# Altium PCB ST-Link-V2.2.PcbDoc (continued)
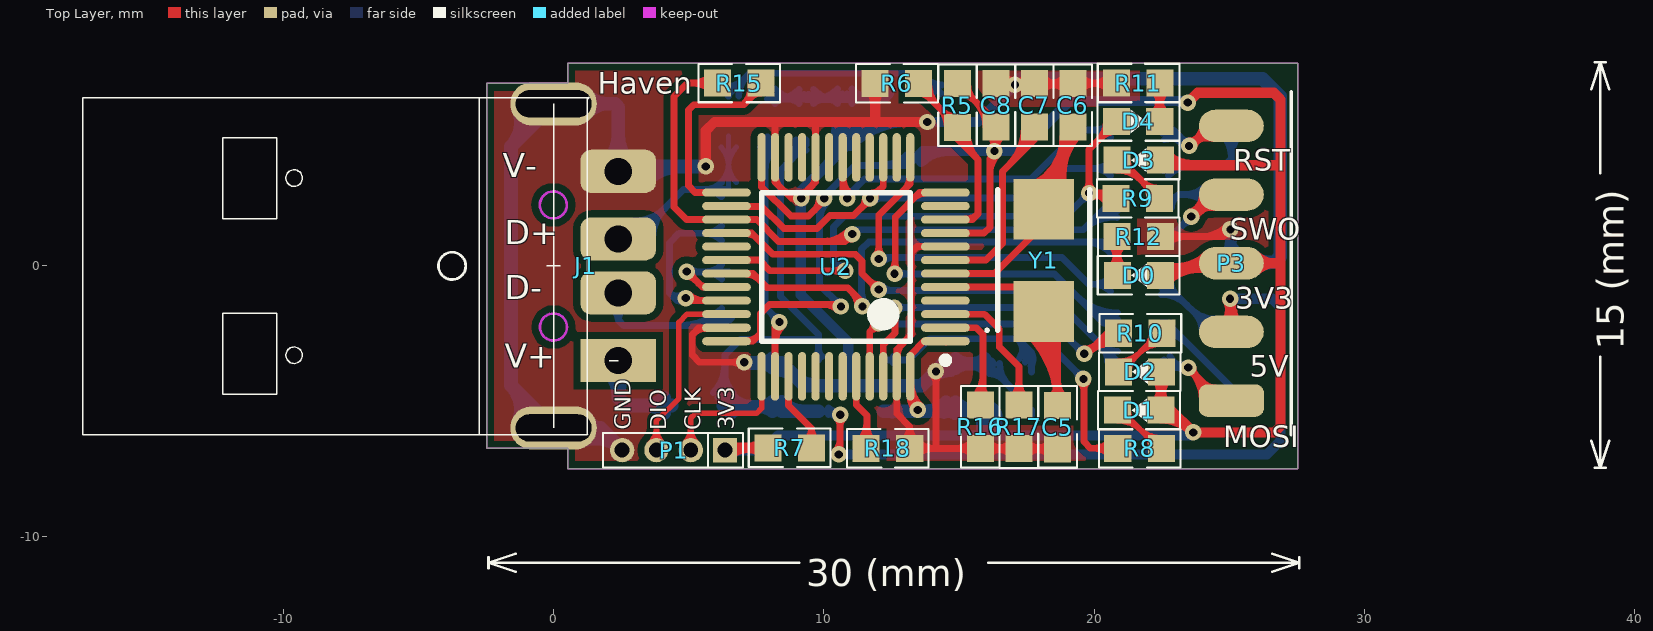
[diagram p0: Top Layer view]
## Nets (pads, with @x,y where several pads share a name; then routed paths per layer and width w, separated by ;. In a path a pad name is that pad's centre, name@x,y a point inside that pad or via, vN(x,y) a via of type N, cw(c..) or ccw(c..) an arc to the next point about the centre after c; other vN are vias at no path point) (continued)
  Bottom Layer w0.508: J1.6@-1.302,-5.785 ccw(c-2.455,-5.304) -1.572,-4.421 ; J1.5@-1.302,5.784 cw(c-2.455,5.303) -1.572,4.42 ; -1.035,-4.958 cw(c-1.698,-5.62) J1.6@-0.833,-5.98 ; -1.035,4.957 ccw(c-1.698,5.619) J1.5@-0.833,5.979 ; J1.6@0.817,-6.03 cw(c1.24,-7.023) 2.003,-6.26 ; J1.6@1.016,-6.497 cw(c1.557,-7.769) P1.4@2.535,-6.792 ; J1.5@1.215,5.637 cw(c1.995,4.963) 1.995,5.994 cw(c1.995,7.024) J1.5@1.215,6.351 ; J1.6@1.277,-6.264 cw(c1.738,-6.524) 1.738,-5.995 ; J1.6@1.277,-5.726 ccw(c1.738,-5.465) 1.738,-5.995 ; J1.4@2.006,3.886 ccw(c1.074,4.818) 2.392,4.818 ccw(c3.711,4.818) J1.4@2.779,3.886 ; 2.182,-6.439 cw(c1.804,-6.817) P1.4@2.339,-6.817 ; J1.4 2.392,5.872 2.271,5.994 1.073,5.994 J1.5 -1.572,4.42 ; P1.4 P1.4@2.535,-6.792 ; J1.4@2.574,3.681 v1(5.628,3.681) ; J1.4@3.379,3.113 cw(c4.748,1.744) 4.748,3.681 ; J1.4@3.379,3.886 ccw(c3.873,4.38) 3.873,3.681 ; v1(7.051,-3.565) 7.082,-3.595 C1.1 8.442,-3.595 9.277,-4.43 U1.2 13.615,-4.43 13.632,-4.414 v1(14.144,-3.902) ; C1.1@8.097,-3.769 ccw(c7.677,-4.189) 7.677,-3.595 ccw(c7.677,-3.002) C1.1@8.097,-3.422 ; C1.1@8.27,-3.841 cw(c8.27,-4.85) 8.984,-4.137 ; 9.004,-4.158 ccw(c9.552,-3.61) U1.2@9.552,-4.384 ; 13.823,-4.223 cw(c14.695,-5.096) C2.1@14.695,-3.862 ; v1@14.189,-3.925 cw(c14.695,-4.184) C2.1 ; C2.1@14.869,-3.79 cw(c15.289,-4.21) 15.289,-3.616 cw(c15.289,-3.022) C2.1@14.869,-3.442 ; C3.1@15.949,-3.79 ccw(c15.529,-4.21) 15.529,-3.616 ccw(c15.529,-3.022) C3.1@15.949,-3.442 ; C3.1 C2.1 ; v1(17.07,6.701) 17.294,6.925 26.226,6.925 26.879,6.272 26.879,0.346 26.669,0.136 P2.3@25.038,0.136 ; v1@17.106,6.665 cw(c17.733,6.037) 17.733,6.925 ; P2.3@25.92,-0.146 cw(c26.601,-0.827) 26.601,0.136 ; P2.3@25.92,0.344 ccw(c26.42,0.844) 26.42,0.136 ; -1.572,-4.421 -1.572,4.42 ; -1.572,-4.421 J1.6 1.738,-5.995 ; 1.738,-5.995 P1.4@2.535,-6.792 ; v1(14.144,-3.902) cw(c14.409,-4.167) 14.582,-3.834 ccw(c14.409,-4.167) v1(14.144,-3.902) ; v1(14.144,-3.902) 14.43,-3.616 C2.1
NetC4_2: C4.2 U1.4 | length 9.5
  Bottom Layer w0.254: U1.4 13.13,-3.48 13.916,-2.694 17.171,-2.694 ; U1.4@12.574,-3.603 cw(c12.87,-3.898) 12.87,-3.48 cw(c12.87,-3.063) U1.4@12.574,-3.358 ; C4.2@17.239,-3.421 ccw(c16.765,-3.099) 17.171,-2.694 ; 17.388,-2.911 cw(c17.024,-3.275) C4.2@17.45,-3.564 ; 17.605,-3.129 cw(c17.283,-3.451) C4.2@17.66,-3.707 ; C4.2@17.684,-3.921 17.684,-3.207 17.171,-2.694
NetC5_2: C5.2 U2.5 Y1.1 | length 21.3
  Top Layer w0.254: U2.5 17.237,-0.787 Y1.1 18.648,-2.198 C5.2 ; Y1.1@17.398,-1.867 Y1.1@18.014,-1.867 ; Y1.1@17.45,-2.411 cw(c14.816,-5.194) C5.2@18.648,-5.194 ; Y1.1@17.625,-2.226 cw(c15.375,-4.604) 18.648,-4.604 ; Y1.1@17.8,-2.042 cw(c15.933,-4.014) 18.648,-4.014 ; Y1.1@17.974,-1.857 cw(c16.492,-3.424) 18.648,-3.424 ; Y1.1@18.149,-1.673 cw(c17.05,-2.833) 18.648,-2.833 ; C5.2@18.385,-4.893 ccw(c17.748,-4.256) 18.648,-4.256 ccw(c19.549,-4.256) C5.2@18.912,-4.893 ; 18.648,-2.86 cw(c19.31,-2.86) Y1.1@18.842,-2.392
NetC6_2: C6.2 U2.6 Y1.2 | length 20.3
  Top Layer w0.254: U2.6 16.309,-0.287 Y1.2@18.014,1.418 ; Y1.2@17.715,3.003 ccw(c16.887,4.779) C6.2@18.846,4.779 ; Y1.2@17.822,2.773 ccw(c17.073,4.381) 18.846,4.381 ; Y1.2@17.929,2.543 ccw(c17.258,3.982) 18.846,3.982 ; Y1.2@18.037,2.312 ccw(c17.444,3.583) 18.846,3.583 ; Y1.2 18.846,2.808 C6.2@18.846,4.779 ; Y1.2@18.144,2.082 ccw(c17.63,3.185) Y1.2@18.846,3.185 ; 18.846,3.366 cw(c20.986,3.366) C6.2@19.473,4.878 ; 18.846,3.979 cw(c20.373,3.979) C6.2@19.293,5.058 ; 18.846,4.592 cw(c19.759,4.592) C6.2@19.114,5.238 ; C6.2 C6.2@18.846,4.779
NetC7_2: C7.2 U2.7 | length 10.5
  Top Layer w0.254: U2.7 15.995,0.213 16.61,0.828 16.61,3.494 17.786,4.671 C7.2 ; 16.816,3.701 ccw(c15.375,5.142) C7.2@17.413,5.142 ; 17.25,4.134 ccw(c16.242,5.142) C7.2@17.667,5.142 ; 17.684,4.568 ccw(c17.109,5.142) C7.2@17.921,5.142
NetD0_2: D0.2 R12.2 | length 5.1
  Top Layer w0.254: R12.2@20.58,0.822 cw(c19.974,0.215) 20.831,0.215 ; D0.2@20.592,-0.083 ccw(c20.016,0.493) 20.831,0.493 ; R12.2@20.657,0.762 cw(c20.436,0.379) 20.863,0.494 ; D0.2@20.831,-0.349 20.831,1.073 R12.2 ; 20.831,0.154 cw(c21.775,0.154) R12.2@21.107,0.822 ; R12.2@20.831,0.614 ccw(c21.817,0.614) D0.2@21.12,-0.083 ; 20.903,0.346 cw(c21.295,0.451) R12.2@21.06,0.781
NetD1_2: D1.2 R8.2 | length 6.3
  Top Layer w0.203: D1.2@20.87,-5.736 cw(c20.87,-6.971) 21.744,-6.098 ; D1.2@20.87,-5.533 cw(c20.87,-6.278) 21.397,-5.751 ; D1.2 20.984,-5.338 22.393,-6.747 R8.2 ; D1.2@21.269,-5.338 ccw(c21.957,-5.338) 21.47,-5.824 ; 21.649,-6.003 ccw(c22.483,-5.17) R8.2@22.483,-6.349 ; 21.866,-6.22 cw(c21.34,-6.747) R8.2@22.085,-6.747 ; R8.2@21.996,-6.35 ccw(c22.483,-5.863) R8.2@22.483,-6.552
NetD2_2: D2.2 R10.2 | length 6.5
  Top Layer w0.203: D2.2@20.896,-3.725 ccw(c20.896,-3.058) D2.2@21.367,-3.53 ; D2.2@20.896,-3.522 ccw(c20.896,-2.364) 21.714,-3.183 ; D2.2@21.08,-3.92 D2.2 20.977,-3.92 22.405,-2.492 R10.2 ; D2.2@21.294,-3.92 cw(c22.06,-3.92) 21.518,-3.378 ; 21.652,-3.245 cw(c22.508,-4.101) R10.2@22.508,-2.89 ; 21.901,-2.996 ccw(c21.397,-2.492) R10.2@22.11,-2.492 ; 21.999,-2.898 cw(c22.508,-3.407) R10.2@22.508,-2.687
NetD3_2: D3.2 R9.1 | length 5.5
  Top Layer w0.254: D3.2@20.85,3.54 cw(c20.85,2.276) 21.743,3.17 ; D3.2@20.85,3.794 cw(c20.85,3.144) D3.2@21.31,3.604 ; D3.2 21,3.913 R9.1 R9.1@22.45,2.524 ; D3.2@21.223,3.913 ccw(c21.76,3.913) 21.38,3.533 ; R9.1@22.046,2.494 ccw(c21.146,2.494) 21.782,3.131 ccw(c22.419,3.768) R9.1@22.419,2.867
NetD4_2: D4.2 R11.2 | length 6.9
  Top Layer w0.203: D4.2@22.143,5.629 ccw(c21.463,6.309) 22.425,6.309 ccw(c23.387,6.309) D4.2@22.707,5.629 ; R11.2@22.161,6.485 cw(c21.524,5.847) 22.425,5.847 ; R11.2@22.192,6.457 cw(c21.914,6.112) 22.342,5.997 ; R11.2@22.244,6.421 cw(c21.994,5.989) 22.476,6.118 ; R11.2@22.244,6.766 R11.2 22.425,6.749 D4.2 ; 22.355,6.047 cw(c22.95,5.888) R11.2@22.642,6.421 ; D4.2@22.425,5.762 cw(c23.447,5.762) R11.2@22.724,6.485 ; 22.425,6.252 cw(c22.957,6.252) R11.2@22.581,6.628 ; 22.493,6.055 cw(c22.81,6.14) R11.2@22.644,6.423
NetQ1_1: Q1.1 R1.2 R2.1 R3.1 | length 17.5
  Bottom Layer w0.254: R2.1@7.912,6.172 R1.2@9.328,6.172 ; R2.1@8.009,6.363 ccw(c8.469,6.823) 8.469,6.172 ; R2.1@8.189,6.015 cw(c8.568,5.635) 8.568,6.172 ; R2.1@8.189,6.542 ccw(c9.082,7.436) R1.2@9.082,6.172 ; R2.1@8.218,6.172 ccw(c8.218,7.396) R1.2@9.083,6.53 ; 8.675,6.172 cw(c8.675,5.595) R1.2@9.083,6.003 ; 8.718,6.27 ccw(c8.78,6.502) R1.2@9.002,6.41 ; 8.809,6.245 cw(c8.717,5.903) R1.2@9.024,6.08 ; 8.831,6.172 ccw(c8.831,6.782) R1.2@9.263,6.351 ; R1.2@9.344,6.156 11.076,6.156 R3.1@11.079,6.158 ; R1.2@9.431,6.351 ccw(c9.902,6.822) 9.902,6.156 ; R1.2@9.573,6.156 ccw(c9.573,7.476) R3.1@10.506,6.542 ; R1.2@9.611,6.003 cw(c9.979,5.634) 9.979,6.156 ; R1.2@9.611,6.53 ccw(c10.516,7.435) R3.1@10.516,6.156 ; R1.2@9.67,6.08 cw(c9.96,5.913) 9.873,6.236 ; R1.2@9.698,6.393 ccw(c9.9,6.465) 9.955,6.258 ; 10.166,6.156 cw(c10.166,5.675) R3.1@10.506,6.015 ; 10.186,6.156 ccw(c10.186,6.862) R3.1@10.685,6.363 ; R3.1@10.764,6.158 R3.1@11.079,6.158 ; R3.1@10.854,6.363 ccw(c11.346,6.855) 11.346,6.158 ; R3.1@11.033,6.015 cw(c11.38,5.668) 11.38,6.158 ; R3.1@11.033,6.542 ccw(c11.96,7.469) 11.96,6.158 ; 11.281,6.158 ccw(c11.281,7.506) Q1.1@12.234,6.553 ; 11.894,6.158 ccw(c11.894,6.893) Q1.1@12.414,6.374 ; Q1.1 12.271,6.158 R3.1@11.079,6.158
NetQ1_2: Q1.2 R4.1 | length 11.2
  Bottom Layer w0.254: R4.1 6.477,6.339 7.268,7.13 13.583,7.13 Q1.2 ; R4.1@6.477,6.652 ccw(c6.477,7.407) 7.011,6.873 ; R4.1@6.85,6.279 cw(c7.896,6.279) 7.156,7.018 ; 13.768,6.944 ccw(c14.362,7.538) Q1.2@14.362,6.698 ; 13.829,6.883 cw(c13.32,6.375) Q1.2@14.039,6.375
NetR5_1: R5.1 R6.2 U2.10 | length 12.8
  Top Layer w0.254: R6.2@13.507,6.38 cw(c13.507,5.822) 13.901,6.216 ; R6.2@13.507,6.61 R5.1@14.926,5.192 ; R6.2@13.626,6.753 ccw(c14.257,6.753) R6.2@13.811,6.307 ; R6.2@13.88,6.753 ccw(c15.124,6.753) 14.244,5.873 ; 14.272,5.846 cw(c13.555,5.128) R5.1@14.569,5.128 ; 14.386,5.732 ccw(c14.942,6.288) R5.1@14.942,5.501 ; U2.10 15.497,1.713 15.708,1.925 ; R5.1@14.926,4.757 R5.1@14.942,4.741 ; R5.1 R5.1@14.942,4.741 ; R5.1@15.06,5.114 ccw(c16.036,4.992) 15.34,4.297 ; U2.10@15.246,1.736 ccw(c15.253,2.379) 15.708,1.925 ; R5.1@15.312,5.082 ccw(c16.689,4.91) 15.708,3.929 ; R5.1@14.942,4.741 14.942,4.695 15.708,3.929 ; 15.708,1.925 15.708,3.929
NetR7_1: R7.1 U2.39 | length 4
  Top Layer w0.254: U2.39 8.696,-5.169 9.544,-6.017 ; R7.1@9.33,-6.426 ccw(c9.044,-6.017) 9.544,-6.017 ; R7.1 9.544,-6.017 ; R7.1@9.757,-6.426 cw(c10.043,-6.017) 9.544,-6.017
NetR13_2: R13.2 U2.32 | length 7.4
  Top Layer w0.254: v1@4.925,-0.21 v1(4.929,-0.21) 5.191,-0.472 ; v1@4.929,-0.388 cw(c4.929,-0.812) 5.229,-0.512 ; v1@4.946,-0.387 cw(c4.976,-0.69) 5.191,-0.475 ; v1@4.949,-0.387 cw(c4.982,-0.682) 5.191,-0.472 ; v1@5.106,-0.23 ccw(c5.403,-0.263) 5.191,-0.475 ; v1@5.106,-0.229 ccw(c5.402,-0.261) 5.191,-0.472 ; v1@5.107,-0.21 ccw(c5.541,-0.21) 5.234,-0.518 ; 5.362,-0.646 ccw(c5.646,-0.362) U2.32@5.646,-0.764 ; U2.32 5.503,-0.787 5.191,-0.475 ; 5.191,-0.475 5.191,-0.472
  Bottom Layer w0.254: v1(4.929,-0.21) 4.942,-0.223 R13.2 ; v1@5.055,-0.336 cw(c5.327,-0.608) 5.327,-0.223 ; v1@5.055,-0.084 ccw(c5.389,0.25) 5.389,-0.223 ; R13.2@6.22,-0.487 ccw(c5.583,-1.124) 5.583,-0.223 ccw(c5.583,0.677) R13.2@6.22,0.041
NetR14_2: R14.2 U2.33 | length 9.6
  Top Layer w0.254: v1@4.906,-1.283 4.909,-1.287 U2.33 ; v1@5.018,-1.063 ccw(c5.559,-0.522) U2.33@5.559,-1.287
  Bottom Layer w0.254: 4.504,-1.216 ccw(c4.74,-0.979) v1@4.938,-1.25 ; v1@4.717,-1.159 cw(c4.571,-1.134) 4.571,-1.283 ; v1@4.788,-1.044 cw(c4.563,-0.735) 4.293,-1.006 ; v1@4.906,-1.283 4.571,-1.283 ; R14.2@6.207,0.945 ccw(c5.571,0.308) 5.571,1.209 ccw(c5.571,2.109) R14.2@6.207,1.472 ; R14.2 4.647,1.209 4.293,0.855 4.293,-1.006 ; 4.293,-1.006 4.571,-1.283
  other v1: 4.893,-1.188
NetR16_1: R16.1 U2.2 | length 6
  Top Layer w0.254: U2.2 15.63,-2.287 15.89,-2.547 15.89,-5.037 R16.1 ; R16.1@15.526,-4.874 ccw(c14.646,-3.994) 15.89,-3.994 ; R16.1@15.705,-5.053 ccw(c15.259,-4.607) 15.89,-4.607 ; 15.89,-4.48 ccw(c16.447,-4.48) R16.1@16.053,-4.874
NetR17_1: R17.1 U2.3 | length 6.7
  Top Layer w0.254: U2.3 15.933,-1.787 16.488,-2.341 16.488,-3 17.214,-3.727 R17.1 ; R17.1@16.95,-4.883 ccw(c16.314,-4.247) 17.214,-4.247 ccw(c18.115,-4.247) R17.1@17.478,-4.883
P_MOSI: P3.1 R21.2 | length 9.9
  Top Layer w0.254: v1@23.478,-3.939 cw(c23.478,-4.368) 23.782,-4.064 cw(c24.085,-3.761) v1@23.656,-3.761 ; v1(23.478,-3.761) P3.1@24.698,-4.981 ; v1@23.51,-3.793 cw(c22.322,-4.981) P3.1@24.002,-4.981 ; 23.944,-4.226 cw(c23.189,-4.981) P3.1@24.256,-4.981 ; 24.049,-4.331 ccw(c24.475,-3.905) P3.1@24.475,-4.508 ; P3.1@24.225,-4.981 P3.1 P3.1@24.859,-4.981
  Bottom Layer w0.254: R21.2 22.708,-3.761 v1(23.478,-3.761) cw(c23.478,-3.004) R21.2@22.809,-3.358 ; R21.2@22.584,-3.477 ccw(c23.056,-3.227) 23.056,-3.761 ; v1@23.319,-3.839 ccw(c23.011,-3.991) 23.1,-3.659 ccw(c23.188,-3.328) v1@23.379,-3.613 ; v1@23.352,-3.887 ccw(c23.049,-4.19) 23.049,-3.761 ccw(c23.049,-3.332) v1@23.352,-3.635
P_NRST: P3.5 R23.2 | length 10.6
  Top Layer w0.254: v1@23.508,4.617 ccw(c23.508,5.046) 23.811,4.743 ccw(c24.115,4.439) v1@23.686,4.439 ; v1@23.554,4.611 ccw(c23.665,5.026) 23.88,4.654 ccw(c24.094,4.282) v1@23.68,4.393 ; 23.829,4.76 ccw(c23.41,5.179) P3.5@24.002,5.179 ; 23.85,4.781 cw(c24.316,4.315) P3.5@24.436,4.964 ; P3.5@24.39,4.714 ccw(c24.21,3.738) v1(23.508,4.439) 24.247,5.179 P3.5
  Bottom Layer w0.254: R23.2 22.926,5.022 v1(23.508,4.439) ccw(c22.862,3.794) R23.2@22.591,4.666 ; R23.2@22.515,4.908 cw(c22.721,4.247) 23.211,4.737 ; R23.2@22.613,4.885 cw(c22.334,3.718) v1@23.356,4.346 ; v1@23.33,4.439 ccw(c22.901,4.439) 23.204,4.743 ccw(c23.508,5.046) v1@23.508,4.617 ; v1@23.336,4.393 ccw(c22.922,4.282) 23.136,4.654 ccw(c23.351,5.026) v1@23.462,4.611
P_RXD: P2.4 R19.2 | length 7.7
  Bottom Layer w0.254: R19.2@22.479,-1.053 cw(c22.479,-2.396) 23.429,-1.446 ; R19.2@22.479,-0.799 cw(c22.479,-1.528) 22.995,-1.012 ; R19.2 22.662,-0.68 P2.4@24.424,-2.441 ; R19.2@22.852,-0.68 ccw(c23.31,-0.68) 22.986,-1.004 ; 23.58,-1.597 ccw(c24.475,-0.702) P2.4@24.475,-1.968 ; 23.704,-1.721 cw(c22.984,-2.441) P2.4@24.002,-2.441 ; 24.014,-2.031 ccw(c24.475,-1.569) P2.4@24.475,-2.222 ; P2.4@24.392,-2.441 P2.4@24.424,-2.441 ; P2.4 P2.4@24.424,-2.441
P_SWCLK: P2.1 R25.2 | length 8.1
  Bottom Layer w0.254: R25.2 22.586,3.709 24.819,3.709 25.075,3.965 P2.1 P2.1@24.761,5.493 ; R25.2@22.564,3.519 cw(c23.023,3.06) 23.023,3.709 ; R25.2@22.744,3.339 cw(c23.636,2.447) 23.636,3.709 ; R25.2@22.744,3.867 ccw(c23.125,4.248) 23.125,3.709 ; P2.1@24.741,4.844 cw(c23.933,4.037) 25.075,4.037 cw(c26.217,4.037) P2.1@25.41,4.844
P_SWDIO: P2.2 R24.2 | length 5.5
  Bottom Layer w0.254: R24.2 22.654,2.167 23.126,2.639 ; R24.2@22.605,2.519 ccw(c22.77,2.995) 23.126,2.639 ; R24.2@22.856,2.167 cw(c23.343,2.167) 22.998,2.511 ; P2.2@24.141,2.304 ccw(c23.333,1.497) 23.333,2.639 ccw(c23.333,3.781) P2.2@24.141,2.973 ; P2.2 23.126,2.639
P_SWO: P3.4 R22.2 | length 9.7
  Top Layer w0.254: v1@23.545,1.995 ccw(c23.394,2.56) 23.9,2.267 ; v1@23.591,2.001 ccw(c23.591,2.43) 23.895,2.126 ccw(c24.198,1.823) v1@23.769,1.823 ; v1@23.637,1.995 ccw(c23.748,2.409) 23.963,2.037 ccw(c24.178,1.666) v1@23.763,1.777 ; v1@23.716,1.948 ccw(c23.025,2.639) P3.4@24.002,2.639 ; v1@23.763,1.869 cw(c24.027,1.94) 23.79,2.076 ; 24.005,2.237 cw(c24.448,1.795) P3.4@24.468,2.42 ; P3.4@24.46,2.166 ccw(c24.421,0.993) v1(23.591,1.823) 24.407,2.639 P3.4
  Bottom Layer w0.254: R22.2 22.519,0.75 v1(23.591,1.823) ; R22.2@22.474,1.123 ccw(c22.474,2.131) 23.187,1.418 ; R22.2@22.847,0.75 cw(c23.641,0.75) 23.08,1.311 ; v1@23.413,1.823 cw(c22.984,1.823) 23.288,1.519 cw(c23.591,1.216) v1@23.591,1.645
P_TXD: P2.5 R20.2 | length 6.2
  Bottom Layer w0.254: R20.2@22.479,-2.479 cw(c22.479,-3.877) 23.468,-2.889 ; R20.2@22.479,-2.225 cw(c22.479,-3.01) 23.034,-2.455 ; R20.2 22.685,-2.106 25.19,-4.611 P2.5@25.075,-4.611 ; R20.2@22.852,-2.106 ccw(c23.255,-2.106) R20.2@22.97,-2.391 ; P2.5 P2.5@25.075,-4.697
RX_LED: R10.1 U2.46 | length 16.1
  Top Layer w0.254: U2.46@12.196,-3.519 12.196,-2.912 12.632,-2.476 12.632,-1.576 v1(12.596,-1.54) ; v1@12.47,-1.666 cw(c12.081,-2.056) 12.632,-2.056 ; 12.632,-1.883 cw(c12.939,-1.883) v1@12.722,-1.666 ; v1(19.63,-3.253) v1@19.733,-3.253 ; v1@19.63,-3.075 ccw(c19.63,-2.396) 20.11,-2.876 ; 20.105,-2.881 cw(c20.775,-3.55) R10.1@20.883,-2.61 ; R10.1@20.854,-2.862 ccw(c20.698,-4.218) v1@19.733,-3.253 ; R10.1 20.495,-2.492 v1@19.733,-3.253
  Bottom Layer w0.254: v1(12.596,-1.54) 17.917,-1.54 v1(19.63,-3.253) ; v1@12.722,-1.666 cw(c13.025,-1.969) 13.025,-1.54 cw(c13.025,-1.111) v1@12.722,-1.415 ; v1@19.452,-3.253 ccw(c19.023,-3.253) 19.326,-2.949 ccw(c19.63,-2.646) v1@19.63,-3.075
STA_LED: D4.1 R9.2 U2.30 | length 27.1
  Top Layer w0.203: R9.2 R9.2@20.826,2.494
  Top Layer w0.254: U2.30 7.612,0.213 8.006,-0.181 v1(10.788,-0.181) ; v1@10.662,-0.306 ccw(c10.359,-0.61) 10.359,-0.181 ccw(c10.359,0.249) v1@10.662,-0.055 ; v1@19.685,2.819 ccw(c19.381,3.122) 19.811,3.122 ccw(c20.24,3.122) 19.936,2.819 ccw(c20.24,3.122) 20.24,2.693 ccw(c20.24,2.264) v1@19.936,2.567 ; v1@19.906,2.543 cw(c20.105,2.23) 20.201,2.588 cw(c20.297,2.947) v1@19.968,2.775 ; 20.174,4.676 ccw(c19.502,5.347) D4.1@20.452,5.347 ; 20.223,4.725 cw(c20.825,4.123) D4.1@20.825,4.974 ; 20.253,2.693 cw(c20.253,2.17) R9.2@20.704,2.434 ; R9.2@20.485,2.306 ccw(c19.811,1.912) v1(19.811,2.693) ; R9.2 20.608,2.693 v1(19.811,2.693) ; D4.1 20.825,5.327 19.811,4.312 v1(19.811,2.693)
  Bottom Layer w0.254: v1@10.78,-0.003 cw(c10.755,0.554) 10.361,0.16 ; v1(10.788,-0.181) 10.797,-0.172 10.693,-0.172 10.361,0.16 ; v1@19.633,2.693 cw(c19.204,2.693) 19.507,2.39 cw(c19.811,2.086) v1@19.811,2.515 ; v1(19.811,2.693) 18.956,1.838 10.756,1.838 10.361,1.443 10.361,0.16
SWCLK0: P1.2 U2.37 | length 6.5
  Top Layer w0.203: P1.2@4.828,-6.571 ccw(c4.234,-5.976) 5.075,-5.976 ccw(c5.916,-5.976) P1.2@5.321,-6.571 ; P1.2 5.075,-5.632 5.246,-5.46 7.502,-5.46 7.696,-5.266 U2.37
SWDIO0: P1.3 U2.34 | length 8.3
  Top Layer w0.203: P1.3@3.558,-6.571 ccw(c2.964,-5.976) 3.805,-5.976 ccw(c4.646,-5.976) P1.3@4.051,-6.571 ; P1.3 3.805,-5.727 4.632,-4.9 4.632,-2.093 4.939,-1.787 U2.34
T_JTCK: R25.1 U2.15 U2.26 | length 20.9
  Top Layer w0.254: U2.26 6.408,2.202 7.696,2.202 8.515,1.382 9.749,1.382 10.228,1.861 11.1,1.861 12.196,2.957 U2.15 ; 11.381,2.142 ccw(c11.017,2.506) v1@11.532,2.506 ; 11.468,2.228 cw(c11.71,1.986) v1@11.71,2.329 ; v1@11.71,2.684 ccw(c11.71,3.2) 12.075,2.835 ; v1@11.888,2.506 cw(c12.231,2.506) 11.988,2.749
  Bottom Layer w0.254: v1(11.71,2.506) 17.793,2.506 18.89,3.603 R25.1 ; v1@11.836,2.381 cw(c12.139,2.077) 12.139,2.506 cw(c12.139,2.936) v1@11.836,2.632 ; R25.1@20.604,3.339 ccw(c19.968,2.703) 19.968,3.603 ccw(c19.968,4.504) R25.1@20.604,3.867
T_JTDI: U2.17
T_JTDO: U2.16
T_JTMS: R15.1 R24.1 U2.27 | length 29.9
  Top Layer w0.254: R15.1@5.794,6.502 ccw(c5.157,5.865) 5.157,6.766 ccw(c5.157,7.666) R15.1@5.794,7.029 ; R15.1 4.962,6.766 4.455,6.258 4.455,2.172 4.913,1.713 U2.27 7.518,1.713 8.326,0.905 10.775,0.905 ; 9.962,0.905 ccw(c9.962,2.26) v1@10.921,1.302 ; 10.575,0.905 ccw(c10.575,1.647) v1@11.1,1.122 ; v1@10.869,1.161 cw(c10.545,1.135) 10.775,0.905 ; v1@11.032,0.999 ccw(c11.005,0.675) 10.775,0.905 ; v1(11.046,1.176) 10.775,0.905
  Bottom Layer w0.254: v1(11.046,1.176) 11.206,1.335 19.593,1.335 ; 19.982,1.725 cw(c20.773,0.934) R24.1@20.861,2.048 ; R24.1@20.371,2.114 cw(c20.83,1.655) R24.1@20.881,2.302 ; R24.1@20.841,1.795 ccw(c20.715,0.213) 19.593,1.335 ; R24.1 20.425,2.167 19.593,1.335
T_MOSI: R21.1 U2.28 | length 19.9
  Top Layer w0.254: U2.28 7.33,1.213 8.114,0.429 11.163,0.429 11.409,0.183 11.409,-0.279 12.004,-0.874 v1(12.031,-0.874) ; U2.28@7.146,1.19 cw(c7.146,0.692) 7.499,1.044 ; 11.681,-0.551 ccw(c12.031,-0.201) v1@12.031,-0.696 ; 11.746,-0.616 cw(c11.489,-0.874) v1@11.853,-0.874
  Bottom Layer w0.254: v1(12.031,-0.874) 12.073,-0.916 18.241,-0.916 20.857,-3.532 R21.1 ; v1@12.157,-0.999 cw(c12.358,-1.2) 12.358,-0.916 ; v1@12.157,-0.748 ccw(c12.562,-0.342) 12.562,-0.916 ; 20.213,-2.888 ccw(c20.867,-2.234) R21.1@20.867,-3.159 ; 20.238,-2.913 cw(c19.618,-3.532) R21.1@20.494,-3.532
T_NRST: R23.1 U2.18 | length 15.5
  Top Layer w0.254: U2.18@10.696,3.333 ccw(c11.687,3.333) v1@10.986,2.632 ; U2.18 10.696,2.671 v1(10.861,2.506)
  Bottom Layer w0.254: v1(10.861,2.506) 10.861,2.519 10.861,2.571 11.501,3.211 ; v1@10.861,2.684 ccw(c10.861,2.959) 11.054,2.765 ; v1@11.038,2.506 cw(c11.623,2.506) 11.209,2.92 ; 11.553,3.211 17.662,3.211 19.472,5.022 R23.1 ; R23.1@20.604,4.758 ccw(c19.968,4.121) 19.968,5.022 ccw(c19.968,5.922) R23.1@20.604,5.285
T_RXD: R19.1 U2.13 | length 16.5
  Top Layer w0.254: v1@11.906,0.385 ccw(c11.603,0.689) 12.032,0.689 ccw(c12.461,0.689) v1@12.158,0.385 ; v1(12.032,0.259) 12.032,1.879 13.196,3.043 U2.13 ; 13.001,2.848 ccw(c12.586,3.263) U2.13@13.173,3.263
  Bottom Layer w0.254: v1(12.032,0.259) 12.089,0.317 18.804,0.317 19.801,-0.68 R19.1 ; v1@12.158,0.134 cw(c12.6,-0.309) 12.6,0.317 ; R19.1@20.603,-0.943 ccw(c19.967,-1.58) 19.967,-0.68 ccw(c19.967,0.221) R19.1@20.603,-0.416
T_SWDIO_IN: R15.2 U2.25 | length 9.1
  Top Layer w0.254: U2.25 5.238,2.713 4.985,2.966 4.985,5.761 5.185,5.961 7.022,5.961 ; R15.2@7.298,6.73 cw(c6.345,6.638) 7.022,5.961 ; 7.302,6.24 cw(c7.67,5.872) R15.2@7.67,6.393 ; R15.2@7.403,6.342 ccw(c7.04,6.705) R15.2@7.551,6.754 ; R15.2@7.67,6.605 7.667,6.605 7.022,5.961
T_SWO: R22.1 U2.31 | length 21.1
  Top Layer w0.254: U2.31 7.372,-0.287 7.893,-0.807 10.872,-0.807 11.428,-1.362 v1(11.428,-1.498) ; U2.31@7.146,-0.31 cw(c7.146,-0.911) 7.572,-0.486 ; 11.028,-0.963 cw(c10.493,-1.498) v1@11.25,-1.498
  Bottom Layer w0.254: v1@11.302,-1.372 ccw(c11.072,-1.142) 11.398,-1.142 ; 11.398,-0.996 ccw(c11.93,-0.996) v1@11.554,-1.372 ; v1(11.428,-1.498) 11.398,-1.468 11.398,0.619 11.66,0.882 20.731,0.882 R22.1 ; 19.645,0.882 cw(c19.645,-0.467) R22.1@20.599,0.487 ; 20.258,0.882 cw(c20.258,0.146) R22.1@20.778,0.666 ; 20.279,0.882 ccw(c20.279,1.334) R22.1@20.599,1.014
T_TXD: R20.1 U2.12 | length 19
  Top Layer w0.254: v1@12.488,-0.167 ccw(c12.117,0.204) 12.642,0.204 ; v1(12.614,-0.293) 12.642,-0.265 12.642,1.814 13.541,2.713 U2.12 ; 12.642,0.069 ccw(c12.975,0.069) v1@12.739,-0.167 ; 13.357,2.529 cw(c13.746,2.141) U2.12@13.746,2.69
  Bottom Layer w0.254: v1(12.614,-0.293) 18.527,-0.293 20.34,-2.106 ; v1@12.739,-0.419 cw(c13.043,-0.722) 13.043,-0.293 cw(c13.043,0.136) v1@12.739,-0.167 ; 19.331,-1.097 ccw(c20.867,0.439) R20.1@20.867,-1.733 ; 19.765,-1.53 ccw(c20.867,-0.428) R20.1@20.867,-1.987 ; 20.199,-1.964 ccw(c20.867,-1.296) R20.1@20.867,-2.241 ; R20.1@20.515,-1.982 cw(c20.341,-1.921) 20.341,-2.106 ; R20.1 20.34,-2.106
TX_LED: R8.1 U2.45 | length 18.3
  Top Layer w0.254: U2.45 11.696,-2.44 v1(12.022,-2.114) ; v1@11.845,-2.114 cw(c11.415,-2.114) 11.719,-2.418 cw(c12.022,-2.721) v1@12.022,-2.292 ; v1@19.476,-4.307 cw(c19.13,-4.653) 19.619,-4.653 ; v1(19.601,-4.182) 19.619,-4.199 19.619,-6.502 19.864,-6.747 R8.1 ; 19.619,-4.568 cw(c19.988,-4.568) v1@19.727,-4.307 ; R8.1@20.607,-7.011 ccw(c19.97,-7.648) 19.97,-6.747 ccw(c19.97,-5.847) R8.1@20.607,-6.483
  Bottom Layer w0.254: v1(12.022,-2.114) 12.058,-2.15 17.57,-2.15 v1(19.601,-4.182) ; v1@12.148,-2.24 cw(c12.365,-2.457) 12.365,-2.15 ; v1@12.148,-1.988 ccw(c12.538,-1.598) 12.538,-2.15 ; v1@19.424,-4.182 ccw(c18.994,-4.182) 19.298,-3.878 ccw(c19.601,-3.575) v1@19.601,-4.004
TXD0: U2.21
USB_N: J1.2 R13.1 | length 9.9
  Bottom Layer w0.254: J1.2@2.137,-1.623 cw(c1.981,-2.004) 2.392,-2.004 ; J1.2 2.392,-2.004 ; J1.2@2.648,-1.623 ccw(c2.804,-2.004) 2.392,-2.004 ; 4.705,-2.199 ccw(c4.705,-0.057) R13.1@6.22,-1.571 ; 5.319,-2.199 ccw(c5.319,-0.67) R13.1@6.399,-1.751 ; 5.932,-2.199 ccw(c5.932,-1.283) R13.1@6.579,-1.931 ; R13.1 6.12,-2.199 2.587,-2.199 2.392,-2.004
USB_P: J1.3 R4.2 R14.1 | length 15.4
  Bottom Layer w0.203: R14.1@6.189,3.102 ccw(c5.509,3.782) 6.471,3.782 ccw(c7.433,3.782) R14.1@6.753,3.102 ; R4.2@6.195,4.385 cw(c5.529,3.718) 6.471,3.718 ; R14.1 R4.2@6.471,4.789 ; 6.471,3.691 cw(c7.452,3.691) R4.2@6.758,4.385
  Bottom Layer w0.254: J1.3 2.984,0.999 4.805,2.821 R14.1 ; J1.3@2.992,1.418 ccw(c2.992,2.409) 3.693,1.709 ; J1.3@2.992,1.672 ccw(c2.992,3.276) 4.126,2.142 ; J1.3@3.411,0.999 cw(c4.444,0.999) 3.714,1.73 ; J1.3@3.665,0.999 cw(c5.311,0.999) 4.148,2.163 ; R14.1@6.207,2.557 ccw(c5.571,1.92) 5.571,2.821 ccw(c5.571,3.721) R14.1@6.207,3.084
USB_RENM: R2.2 U2.38 | length 12.3
  Top Layer w0.254: U2.38@8.196,-3.699 8.196,-2.27 v1@8.433,-2.034 ; 8.196,-2.892 cw(c9.171,-2.892) v1@8.482,-2.202
  Bottom Layer w0.254: R2.2@7.661,4.403 cw(c7.27,4.012) 7.823,4.012 ; 7.823,3.52 cw(c9.071,3.52) R2.2@8.189,4.403 ; 7.823,4.133 cw(c8.458,4.133) R2.2@8.009,4.582 ; R2.2@7.911,4.778 7.823,4.69 7.823,-1.528 8.329,-2.034 v1@8.433,-2.034 ; 8.042,-1.747 cw(c7.712,-2.077) v1@8.178,-2.077 ; 8.079,-1.784 ccw(c8.356,-1.507) v1@8.356,-1.899
  other v1: 8.356,-2.077
VBUS: F1.1 J1.1 | length 6.9
  Bottom Layer w0.508: J1.1@2.019,-3.898 cw(c1.207,-4.763) 2.392,-4.763 cw(c3.578,-4.763) J1.1@2.766,-3.898 ; J1.1 2.392,-4.869 2.684,-5.16 F1.1@4.374,-5.16 ; F1.1@4.094,-5.44 ccw(c3.418,-6.116) 3.418,-5.16 ccw(c3.418,-4.204) F1.1@4.094,-4.88
pads on no net: U2.4 U2.11 U2.14 U2.19 U2.22 U2.29 U2.40 U2.41 U2.42 U2.43

## Polygon pours and split planes (outlines as drawn)
GND on Bottom Layer "Bottom Layer-No Net" (solid, remove dead copper, pour order 4): -2.972,7.896 -2.919,7.843 -2.919,-8.066 28.188,-8.066 28.347,-7.908 27.846,-7.408 27.846,8.265
GND on Top Layer "Bottom Layer-No Net" (solid, remove dead copper, pour order 6): -2.741,7.893 27.807,7.893 27.865,7.835 27.865,-7.872 -2.741,-7.872 -2.856,-7.757

## Keep-outs
Keep-Out Layer:
  circle w0.1: c-0.004,-2.261 r0.5
  lines w0.05: -2.477,-6.75 0.523,-6.75 0.523,-7.5 27.523,-7.5 27.523,7.5 0.523,7.5 0.523,6.75 -2.477,6.75 -2.477,6.223 -2.477,5.877 -2.477,-6.253 -2.477,-6.75
  lines w0.1: 0.491,2.274 ccw(c-0.008,2.256) 0.492,2.256

## Silkscreen, mask and mechanical layers (free items; w line width, h text height)
Top Overlay:
  lines w0.05: -0.245,0 0.001,0 0.242,0 ; 0.002,-5.995 0.002,5.994
  lines w0.1: -2.411,-11.182 -2.411,-10.782 ; -1.411,-11.315 -2.411,-10.982 ; -1.411,-10.648 -2.411,-10.982 ; 9.09,-10.982 -2.411,-10.982 ; 16.087,-10.982 27.589,-10.982 ; 26.589,-11.315 27.589,-10.982 ; 26.589,-10.648 27.589,-10.982 ; 27.589,-11.182 27.589,-10.782 ; 38.392,-6.469 38.725,-7.469 ; 38.392,6.531 38.725,7.531 ; 38.525,-7.469 38.925,-7.469 ; 38.525,7.531 38.925,7.531 ; 38.725,-3.361 38.725,-7.469 ; 38.725,3.422 38.725,7.531 ; 39.059,-6.469 38.725,-7.469 ; 39.059,6.531 38.725,7.531
  text "Haven" at 1.631,6.363 h0.8
  text "RST" at 25.135,3.529 h0.8
  text "SWO" at 25.015,0.971 h0.8
  text "3V3" at 25.215,-1.589 h0.8
  text "15 (mm)" at 39.587,-3.107 h1 r90
  text "5V" at 25.755,-4.108 h0.8
  text "GND" at 2.853,-6.067 h0.6 r90
  text "3V3" at 6.69,-6.067 h0.6 r90
  text "DIO" at 4.161,-6.074 h0.6 r90
  text "CLK" at 5.447,-6.081 h0.6 r90
  text "MOSI" at 24.775,-6.707 h0.8
  text "30 (mm)" at 9.344,-11.844 h1
Bottom Overlay:
  text "ST-LINK V2.2" at -0.953,4.897 h1 r90
  text "CLK" at 27.108,3.535 h0.8
  text "DIO" at 27.149,0.98 h0.8
  text "GND" at 27.163,-1.603 h0.8
  text "RXD" at 27.246,-4.075 h0.8
  text "TXD" at 27.204,-6.698 h0.8

## Text inside footprints (layer, text, board x,y; h text height)
J1: Top Overlay "D-" at -1.802,-1.525 h1.52; Top Overlay "V-" at -1.878,2.975 h1.52; Top Overlay "V+" at -1.802,-4.065 h1.52; Top Overlay "D+" at -1.802,0.507 h1.52